# Allegro board BeagleBone_Black_RevC.brd (continued)
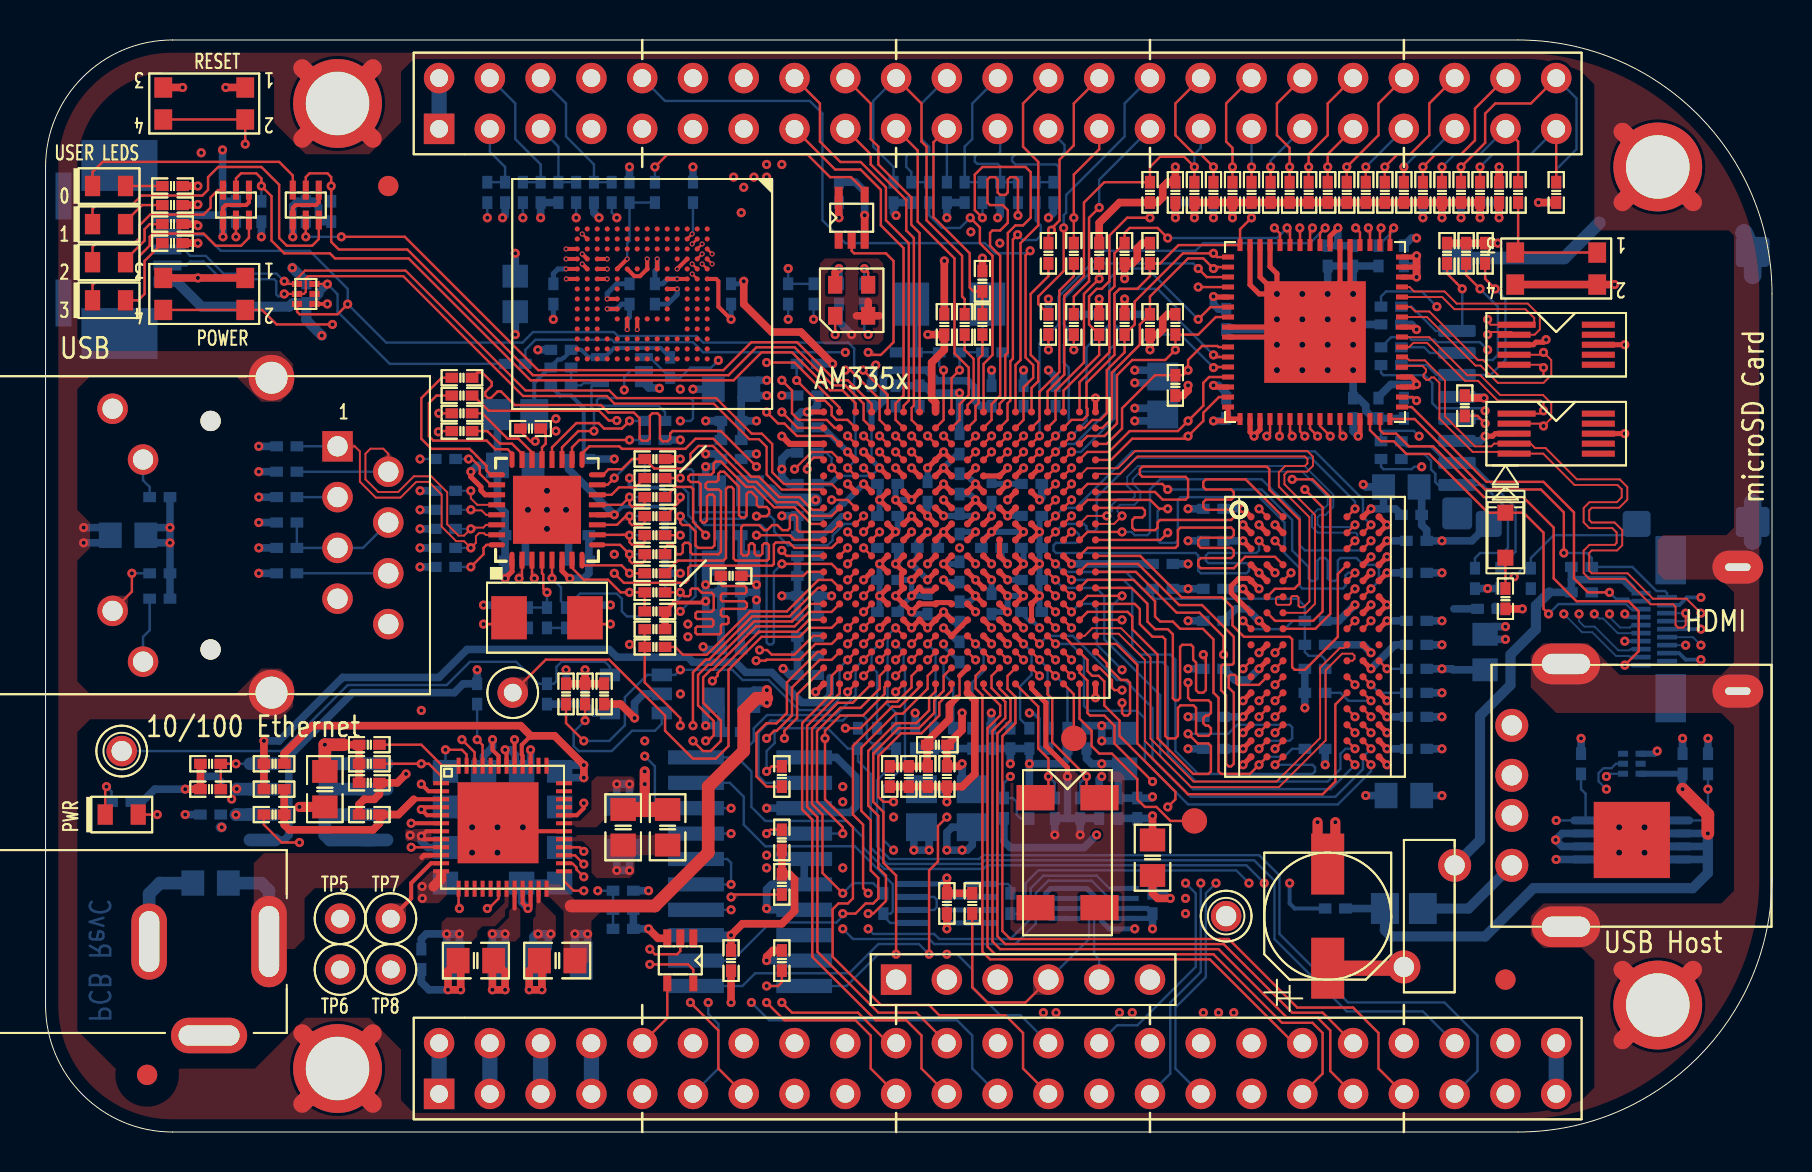
[diagram p0: board, top side]
## Nets (continued)
MII1_RXD2: R126.1 U5.L16
MII1_RXD3: R125.1 U5.L17
MII1_RXDV: R129.1 U5.J17
MII1_RXERR: R133.1 U5.J15
MII1_TXCLK: R134.1 U5.K18
MII1_TXD0: R39.1 U5.K17
MII1_TXD1: R40.1 U5.K16
MII1_TXD2: R41.1 U5.K15
MII1_TXD3: R42.1 U5.J18
MII1_TXEN: R38.1 U5.J16
MMC0_CD: P2.19 P10.10 R157.1 U5.C15
MMC0_CLKO: R16.1 U5.G17
MMC0_CMD: R15.1 U5.G18
MMC0_DAT0: R31.1 U5.G16
MMC0_DAT1: R32.1 U5.G15
MMC0_DAT2: R2.1 U5.F18
MMC0_DAT3: R13.1 U5.F17
MMC1_CLK: C175.1 P8.21 R35.2 R110.2 U13.M6
MMC1_CMD: P8.20 R36.2 R109.2 U13.M5
MMC1_DAT0: P8.25 R43.2 R101.2 U13.A3
MMC1_DAT1: P8.24 R44.2 R102.2 U13.A4
MMC1_DAT2: P8.5 R103.2 R168.2 U13.A5
MMC1_DAT3: P8.6 R104.2 R169.2 U13.B2
MMC1_DAT4: P8.23 R105.2 R170.2 U13.B3
MMC1_DAT5: P8.22 R106.2 R171.2 U13.B4
MMC1_DAT6: P8.3 R107.2 R172.2 U13.B5
MMC1_DAT7: P8.4 R108.2 R173.2 U13.B6
MODE2: R113.1 R138.2 U14.15
OSC0_IN: C25.1 R17.1 U5.V10 Y2.2
OSC0_OUT: C26.1 R17.2 U5.U11 Y2.1
OSC1_IN: C21.2 U5.A6 Y1.1
OSC1_OUT: C22.2 U5.A4 Y1.4
P_BYPASS: C4.2 U2.47
P_INT_LDO: C3.2 U2.48
P_L1: L1.1 U2.20
P_L2: L2.1 U2.23
P_L3: L3.1 U2.31
PHY_VDDCR: C134.1 C136.1 U14.6
PHY_XTAL1: C143.1 R141.2 R142.1 Y3.1
PHY_XTAL2: R141.1 R143.1 U14.4(XTAL2)
PHYX: C142.1 R143.2 Y3.2
PMIC_INT: R1.2 U2.45 U5.B18
PMIC_PGOOD: U2.26 U5.B15 U16.2
PMIC_POWR_EN: U2.9 U5.C6
PROC_A15: R18.1 U5.A15
PWR_BUT: P9.9 S3.2 S3.4(B2) U2.25
PWR_LEDR: D1.1(C) R12.2
RBIAS: R144.1 U14.32
RCLKIN: R140.2 R142.2 U14.5
REFCLKO: R118.1 R124.2 R131.2 U14.7
RXD0/MODE0: R112.1 R128.2 U14.11
RXD1/MODE1: R114.1 R127.2 U14.10
RXD2/RMIISEL: R117.1 R126.2 U14.9
RXD3/PHYAD2: R116.1 R125.2 U14.8
RXDV: R129.2 U14.26
RXER/PHYAD0: R115.1 R133.2 U14.13
RXN: C138.1 P5.2 R121.1 U14.30
RXP: C137.1 P5.1 R120.1 U14.31
SD_CLK: C5.1 P10.5 R16.2 R152.2
SD_CMD: P10.3 R15.2 R151.2
SD_DAT0: P10.7 R31.2 R153.2
SD_DAT1: P10.8 R32.2 R154.2
SD_DAT2: P10.1 R2.2 R150.2
SD_DAT3: P10.2 R13.2 R155.2
SPI1_CS0: P9.28 U5.C12 U11.25
SPI1_D0: P9.29 U5.B13 U11.24
SPI1_D1: P9.30 U5.D12
SPI1_SCLK: P9.31 U5.A13 U11.23
SYS_5V: C7.2 C8.2 C10.2 C13.2 C17.1 C34.1 P9.7 P9.8 R71.1 R72.1 R73.1 R74.1 RT1.1 U2.2 U2.7 U2.8 U2.21 U2.22 U2.32 U2.39 U2.42 U4.2 U8.2 U8.3
SYS_RESETN: C24.1 C30.1 P2.15 P9.10 R14.2 S1.2 S1.4(B2) U1.2 U5.A10 U16.4(Y)
TCT_RCT: C141.1 P5.4 P5.5 R137.1
TESTOUT: TP3.1(TP) U5.A3
TIMER4: P8.7 U5.R7
TIMER5: P8.9 U5.T6
TIMER6: P8.10 U5.U6
TIMER7: P8.8 U5.T7
TXCLK: R134.2 U14.20
TXD0: R39.2 U14.22
TXD1: R40.2 U14.23
TXD2: R41.2 U14.24
TXD3: R42.2 U14.25
TXEN: R38.2 U14.21
TXN: C140.1 P5.6 R123.1 U14.28
TXP: C139.1 P5.3 R122.1 U14.29
U5_H18: R28.1 U5.H18
U5_R13: R160.1 U5.R13
U5_T13: R161.1 U5.T13
UART0_RX: U5.E15 U15.6
UART0_TX: U5.E16 U15.5
UART1_RXD: P9.26 U5.D16
UART1_TXD: P9.24 U5.D15
UART2_RXD: P9.22 U5.A17
UART2_TXD: P9.21 U5.B17
UART4_RXD: P9.11 U5.T17
UART4_TXD: P9.13 U5.U17
USB0_DM: P4.2 U5.N18 U10.2
USB0_DP: P4.3 U5.N17 U10.1
USB0_ID: P4.4 U5.P16 U10.3
USB1_DM: P3.2 U5.R18 U9.2
USB1_DP: P3.3 U5.R17 U9.1
USB1_DRVVBUS: R53.1 U5.F15 U8.4
USB1_ID: R49.2 U5.P17
USB1_OCN: R52.2 U5.T16 U8.5
USB1_PWR: C35.1 FB7.1 R37.2 U8.6 U8.7 U8.8 U9.6(VBUS)
USB1_VBUS: R37.1 U5.T18
USB_DC: C1.2 C36.1 P4.1(VB) R159.1 U2.12 U10.6(VBUS)
USR0: Q1.2 R76.1 U5.V15
USR1: Q1.5 R77.1 U5.U15
USR2: Q2.2 R78.1 U5.T15
USR3: Q2.5 R79.1 U5.V16
VDCDC1: L1.2 R6.1 U2.19
VIO: R7.2 U2.18 U16.5
VLDO1: R5.1 R7.1 R8.1 U2.3
VREFP_ADC: C31.1 C32.1 C33.1 R27.2 U5.B9
VRTC: C16.1 C105.1 R5.2 R26.1 U5.D7
WAKEUP: R26.2 U2.13(WAKEUP) U5.C5
WP: R156.2 TP4.1(TP) U7.5(WP)
XDMA_EVENT_INTR0: P2.17 R18.2 U6.1
YEL_C: P5.11(YELC) R130.2
YELA: P5.12 R135.1 U14.2
ZQ: R99.2 U12.L8(ZQ)
N21667305: R149.1 U11.49
N21757673: C19.1 R10.1 R11.2 U4.4
N21769115: R75.2 S2.1 S2.3
N22155575: R159.2 U5.P15
N22248684: R167.1 Y4.3
N22248838: R21.1 U6.5
N22287501: R162.1 U3.4(Y)
N22287555: U3.2 U5.R14
N22420400: TP5.1(TP) U2.4 U2.5
N22420444: TP6.1(TP) U2.6
N22420447: TP7.1(TP) U2.11
N22488252: TP9.1(TP) U5.E17

Pads without a net: D6 6 7 9 10; D7 6 7 9 10; J1 2 3 6; NOREF#2 1; NOREF#5 1; NOREF#25 1; NOREF#27 1; NOREF#28 1; NOREF#29 1; P1 3; P2 6; P5 7; P6 2; P10 S2; U2 14 15 16 17 33 34 35 36 37 38 44; U3 1; U5 F16 M5 M15 P18; U9 3 5; U10 5; U11 26 28; U12 J1 J9 L1 L9; U13 A1 A2 A7 A8 A9 A10 A11 A12 A13 A14 B1 B7 B8 B9 B10 B11 B12 B13 B14 C1 C3 C5 C7 C8 C9 C10 C11 C12 C13 C14 D1 D2 D3 D4 D12 D13 D14 E1 E2 E3 E5 E8 E9 E10 E12 E13 E14 F1 F2 F3 F10 F12 F13 F14 G1 G2 G3 G10 G12 G13 G14 H1 H2 H3 H5 H12 H13 H14 J1 J2 J3 J12 J13 J14 K1 K2 K3 K6 K7 K10 K12 K13 K14 L1 L2 L3 L12 L13 L14 M1 M2 M3 M7 M8 M9 M10 M11 M12 M13 M14 N1 N3 N6 N7 N8 N9 N10 N11 N12 N13 N14 P1 P2 P7 P8 P9 P10 P11 P12 P13 P14; U16 1; Y1 2 3

## Via types
v1: diameter 0.457, hole 0.203, TOP to BOTTOM, 801 vias
v2: diameter 0.254, hole 0.152, TOP to BOTTOM, 29 vias
v3: diameter 0.559, hole 0.305, TOP to BOTTOM, 30 vias

## Routing (per net, layer and track width the routed paths; a pad name or vN(x,y) marks a point on that pad's centre or on a via; arc(x,y) is an arc through that point)
DGND: length 496.4
  TOP w0.121: U13.N2 v2(26.85,44.91)
  TOP w0.191: U10.4 v1(14.1,41.41) ; R118.2 31.43,26.48 32.95,26.48 v1(33.02,26.54)
  TOP w0.203: U2.30 24.46,15.04 24.26,15.24 v3(23.88,15.24) ; v2(30.09,43.66) U13.G5 29.73,42.8 29.46,42.8 U13.J5 ; v1(34.29,40.64) 33.66,41.27 33.66,42.55 33.54,42.66 U13.A6 ; U13.K8 v2(28.09,41.66) ; v2(26.04,43.66) U13.P4 ; U13.E7 v2(31.6,42.16) ; U13.N5 v2(26.85,43.41) ; Q1.4 13.67,46.5 13.53,46.35 12.51,46.35 12.37,46.21 Q1.1 v1(12.37,44.77) ; U13.P6 v2(26.05,42.66) ; v1(8.88,44.77) Q2.1 8.88,46.21 9.02,46.35 10.03,46.35 10.17,46.5 Q2.4 ; U13.C4 v2(31.6,43.16) ; U2.41 v1(23.46,19.62) ; U13.H10 v2(29.6,40.13)
  TOP w0.254: v3(64.14,41.91) 64.75,42.52 U11.54 ; U5.M8 v1(46.52,31.61) U5.M9 ; U11.53 65.25,42.06 v3(65.41,41.91) ; U5.A18 v1(38.52,22.01) ; v3(61.59,39.37) 61.21,39.76 U11.9 ; U5.L10 v1(44.92,30.01) ; v1(44.92,30.01) U5.K11 ; v1(44.92,30.01) U5.K10 ; D6.8 v1(78.99,34.92) ; U5.J10 v1(44.92,28.41) U5.H10 ; U5.L11 v1(44.12,30.81) U5.M12 ; v1(59.9,30.37) U12.B1 ; U12.G1 59.31,26.96 59.31,27.3 59.69,27.69 60.18,27.69 U12.E1 v1(60.7,27.17) ; U12.A9 v1(67.1,30.37) U12.B9 ; v1(43.32,26.81) U5.G12 43.88,27.05 44.36,27.05 U5.G11 ; U5.H6 v1(48.92,28.41) U5.J6 ; U5.M14 v1(41.72,31.61) U5.N14 ; v1(58.42,35.56) 59.05,35.56 59.15,35.65 ; v1(66.3,28.77) U12.D8 ; v1(67.1,19.96) U12.P9 ; U11.18 60.25,35 v1(60.45,34.8) 60.45,34.82 60.75,35.12 U11.19 ; v3(61.59,40.64) 61.21,40.25 U11.8 ; U12.D1 v1(60.7,27.97) U12.E2 ; v1(44.92,31.61) U5.M10 ; v1(48.12,32.41) U5.N7 ; 59.15,35.65 U11.16 ; 59.15,35.65 U11.17 ; U11.61 61.25,43.27 61.59,42.93 v3(61.59,41.91) ; U5.F8 v1(46.52,26.81) U5.G9 ; v1(72.01,34.8) 72.39,34.8 72.52,34.92 D6.3 ; U5.K7 U5.J7 v1(48.12,28.41) ; v3(61.59,41.91) 60.75,42.76 U11.62 ; v3(61.59,41.91) 60.71,41.91 60.25,42.37 U11.63 ; v1(59.9,21.56) U12.M1 ; U5.L13 v1(43.32,30.81) U5.L12 ; v1(59.9,18.36) U12.T1 ; D7.3 74.42,39.37 74.55,39.5 74.93,39.5 v1(75.06,39.62) ; U5.H7 v1(48.12,27.61) ; v1(47.32,27.61) U5.H8 ; U5.J11 v1(44.12,28.41) ; v1(61.5,30.37) U12.B3 ; U12.G9 v1(67.1,26.37) U12.F9 ; v1(67.1,18.36) U12.T9 ; U5.A1 v1(52.52,21.72) ; U5.N10 v1(44.92,32.41) U5.N11 ; U5.V18 v1(38.1,36.01) ; U5.G8 v1(46.52,27.61) U5.H9 ; v1(59.9,19.96) U12.P1 ; D7.8 v1(78.99,39.37) ; v1(60.7,23.96) U12.J2 ; v1(46.52,28.41) U5.J9 ; v1(47.32,28.41) U5.J8 ; v1(66.3,27.97) U12.E8 ; v1(66.3,26.37) U12.G8 ; v1(66.3,23.96) U12.J8 ; v1(67.1,21.56) U12.M9 ; v1(46.52,30.01) U5.K9 ; U5.M7 v1(48.12,30.81) U5.M6 ; U5.V1 v1(52.52,36.7) ; v1(43.32,27.61) U5.H12
  TOP w0.381: v1(71.75,45.72) R95.2 R94.2 R93.2 ; v1(53.98,41.66) C157.2 ; R93.2 R92.2 R91.2 R90.2 R89.2 R88.2 R87.2 R86.2 R85.2 R83.2 R82.2 R84.2 ; R93.2 v1(69.85,45.72) ; v1(45.09,12.7) C27.2 R165.2 ; C61.1 v1(72.71,48.26) ; U16.3 30.64,9.69 v1(30.16,10.16) ; v1(56.52,48.26) C57.1 56.13,47.5 55.88,47.24 55.88,46.74 55.63,46.48 C165.2 53.72,46.48 52.7,45.47 C168.2 ; 46.86,43.05 v1(46.86,43.7) ; S2.4 S2.2 v1(78.49,42.38) ; v1(53.98,42.67) C167.2 54.36,43.43 54.61,43.69 54.61,44.2 54.86,44.45 C156.2 ; S3.3 v1(7.62,42.71) S3.1 ; Y4.2 41.71,40.82 ; Y4.2 41.15,41.53 ; Y4.2 40.56,40.82 ; R25.2 36.39,9.08 36.07,8.76 v1(36.07,8.57) ; C163.2 56.13,40.89 55.88,40.64 55.88,40.13 55.63,39.88 C160.2 v1(55.24,39.12) ; 14.92,19.37 C3.1 C18.2 C16.2 ; C173.2 v1(74.68,46.48) ; R29.2 v1(44.96,43.56) ; v1(34.29,6.48) C29.2 ; R84.2 v1(59.37,45.72) ; R84.2 R80.2 R81.2 v1(57.47,45.72) ; S1.1 v1(9.02,52.24) ; v1(56.26,11.68) 55.63,11.68 C155.1 C96.1 ; C19.2 R10.2 v1(6.99,17.14) ; U3.3 v1(40.97,45.85) ; S1.3 v1(6.86,52.24) ; v1(57.15,37.34) 57.15,37.08 56.9,36.83 C169.2 ; C166.2 v1(52.7,41.66) ; C37.2 28.77,21.4 v1(29.46,20.7) ; C5.2 R118.2 ; 24.83,8.45 v1(24.83,7.11) v1(24.19,7.11) 24.19,8.06 C12.1 24.83,8.45 ; 22.99,8 C9.1 22.35,8.51 v1(22.35,7.11) v1(22.99,7.11) 22.99,8
  TOP w0.508: 29.97,16.13 v1(29.97,17.4) v1(29.97,18.03) ; v1(63.63,15.49) 63.63,13.91 C34.2 64.52,13.78 v1(64.52,15.49)
  TOP w0.635: C1.1 v1(13.97,19.37) 14.92,19.37
  TOP w0.762: C11.1 C55.1
  LYR2_GND w0.889: 74.83,5.18 P9.46 ; P9.46 76.3,3.71 ; P9.46 74.83,3.71 ; P9.46 76.3,5.18 ; P9.2 20.42,5.18 ; P9.2 18.95,5.18 ; P9.2 18.95,3.71 ; P9.2 20.42,3.71 ; 16.41,26.13 P5.8 ; P5.8 17.88,26.13 ; P5.8 16.41,24.67 ; P5.8 17.88,24.67 ; 18.72,49.2 P8.1 ; P8.1 20.65,51.13 ; P8.1 18.72,51.13 ; P8.1 20.65,49.2 ; 20.65,2.87 P9.1 18.72,2.87 ; 20.42,51.97 P8.2 18.95,51.97 ; 73.76,2.64 P9.43 72.29,2.64 ; 58.32,10.06 TP1.1 ; TP1.1 59.79,10.06 ; TP1.1 58.32,11.53 ; TP1.1 59.79,11.53 ; 76.3,2.64 P9.45 74.83,2.64 ; J1.1 43.51,6.65 ; J1.1 41.58,6.65 ; J1.1 41.58,8.59 ; P9.44 73.76,5.18 ; P9.44 72.29,5.18 ; P9.44 73.76,3.71 ; P9.44 72.29,3.71 ; 5.18,7.42 P1.2 ; P1.2 4.09,9.53 ; P1.2 5.18,11.63 ; P1.2 6.27,9.53 ; TP8.1 18.01,7.39 ; TP8.1 16.54,7.39 ; TP8.1 16.54,8.86 ; TP8.1 18.01,8.86 ; P3.4 74.12,19.56 ; P3.4 72.56,21.11 ; P3.4 74.12,21.11 ; P3.4 72.56,19.56
  BOTTOM w0.191: v1(82.8,26.73) 82.11,26.73 81.72,26.35 P6.16 ; 79.89,25.75 P6.13 79.16,25.75 v1(78.99,25.91) ; 79.89,24.55 P6.7 v1(78.99,24.55) ; v1(82.8,23.62) 82.04,23.62 81.72,23.95 P6.4 ; v1(44.92,24.41) 44.92,24.3 45.71,23.5 C88.2 ; P6.10 v1(82.8,25.15) ; v1(29.21,32.7) 29.21,32.35 29.34,32.23 30.86,32.23 30.99,32.1 R115.2
  BOTTOM w0.203: C135.2 26.92,33.91 26.92,36.2 26.29,36.83 25.74,36.83 25.27,37.3 C174.2 ; v1(49.72,25.21) 49.43,25.5 49.26,25.5 48.81,25.94 C100.2
  BOTTOM w0.254: C130.2 v1(34.29,40.64) ; v2(31.6,42.16) 31.6,41.88 31.11,41.4 C129.2 ; v1(54.48,10.16) 53.21,10.16 52.83,10.54 52.83,11.43 52.08,12.18 U15.4 50.28,12.18 50.04,11.94 50.04,10.92 50.28,10.68 U15.1 ; C155.1 56.01,11.94 v1(56.26,11.68) ; C128.2 28.57,42.42 28.09,41.94 v2(28.09,41.66) ; v1(45.09,12.7) 44.79,12.41 U6.4 ; v1(43.32,27.61) v1(43.32,26.81) 42.63,26.12 C70.1 ; C127.2 v1(25.4,40.64)
  BOTTOM w0.305: C66.2 41.72,30.92 v1(41.72,31.61) 41.72,32.3 C41.2 ; v1(46.52,30.01) 45.83,30.01 C47.2 ; v1(46.52,26.81) 46.23,26.52 C72.1 ; v1(48.12,28.41) 47.83,28.7 C48.2 ; C50.2 v1(47.32,27.61) ; v1(46.52,31.61) 46.23,31.9 C42.2 ; U9.4 80.48,18.91 v1(80.62,19.05) ; C94.2 v1(44.12,30.81) ; C73.1 v1(48.12,32.41) 47.43,32.41 C43.2 ; v1(44.92,28.41) 45.58,28.41 C49.2 ; v1(43.32,26.81) 44.01,26.81 C63.2 ; C99.2 v1(48.12,27.61) ; v1(48.12,30.81) C97.2 ; v1(44.92,30.01) 44.63,29.72 C46.2 ; v1(48.92,28.41) 48.92,29.1 C98.2 ; C60.1 v1(43.32,27.61)
  BOTTOM w0.381: C159.2 39.69,40.51 v1(40.32,39.88) ; v1(8.85,49.11) 8.85,47.4 8.88,47.37 8.88,46.56 ; C109.2 v1(57.15,27.17) C28.2 ; C52.2 33.78,28.07 C40.1 ; C52.2 33.02,26.99 ; C52.2 33.78,25.91 C39.1 ; v1(30.71,37.19) 30.61,37.19 30.59,37.21 30.17,37.21 U1.3 ; C132.2 24,30.99 v3(24.13,31.11) ; C132.2 C131.2 ; C132.2 24.77,29.84 v3(25.08,30.16) 25.4,29.84 C136.2 C134.2 ; C61.1 v1(72.71,48.26) ; C117.2 v1(69.85,25.57) ; C133.1 24.38,32.45 24.77,32.07 v3(25.08,32.07) ; C120.2 v1(69.85,20.76) ; R144.2 v1(18.73,28.26) ; R53.2 v1(76.81,19.68) ; R164.2 v1(49.21,18.41) ; v1(49.21,18.41) 50.87,18.41 51.12,18.66 R54.1 ; v1(49.21,18.41) C104.2 C92.2 ; C144.2 61.09,40.13 v3(61.59,40.64) ; C68.1 v1(48.92,38.1) ; R77.2 13.9,45.53 13.65,45.78 13.65,46.29 13.4,46.55 R76.2 12.6,46.55 12.37,46.32 v1(12.37,44.77) ; v1(33.02,35.56) C67.2 C38.2 ; P2.12 P2.10 36.32,12.38 36.07,12.13 v1(36.07,11.18) 36.13,11.11 P2.8 ; v1(6.22,29.46) v1(6.22,30.23) ; v1(6.22,29.46) R130.1 R135.2 ; v1(6.22,29.46) 5.4,29.46 R136.1 5.4,30.23 v1(6.22,30.23) ; v1(6.22,30.23) R132.1 ; C51.2 33.78,28.83 C40.1 ; C54.2 C44.2 ; C54.2 v1(36.83,26.81) ; C54.2 C79.2 C69.1 ; C107.2 v1(57.15,31.17) ; C161.2 C166.2 v1(52.7,41.66) ; C143.2 27.11,26.35 v1(28.26,26.35) ; 33.78,20.33 33.78,21.21 C62.1 33.02,21.21 33.02,20.33 ; 33.78,20.33 C64.2 ; 33.78,20.33 33.02,20.33 ; v1(10.79,44.77) R79.2 ; v1(55.37,16.76) 55.31,16.7 C103.2 C102.2 53.66,17.84 C95.1 53.72,18.41 v1(52.83,18.41) 52.32,18.41 52.07,18.67 C101.2 ; v1(14.1,41.41) 14.09,41.4 ; 33.02,20.33 v1(33.02,20.32) ; v1(68.58,44.7) 68.33,44.7 C149.2 ; R145.2 v1(31.75,34.61) ; C138.2 v1(10.67,33.02) ; C92.2 C105.2 C89.2 C91.2 C90.2 C59.2 ; C92.2 v1(48.26,18.41) ; v3(64.14,41.91) 64.14,43.31 65.41,43.31 ; C23.2 v1(24.63,39.12) ; 33.02,26.99 v1(33.02,27.37) 33.02,28.07 C40.1 ; 33.02,26.99 v1(33.02,26.54) 33.02,25.91 C39.1 ; v1(41.53,38.35) 41.42,38.25 41.42,37.88 41.32,37.78 C80.2 ; C123.2 U12.J8 v1(66.3,23.96) ; R10.2 v1(6.99,17.14) 5.46,17.14 4.83,16.51 R12.1 ; P2.20 39.56,18.73 40.53,17.76 40.53,16.27 40.24,15.98 39.5,15.98 39.35,16.13 38.01,16.13 P2.16 v1(36.07,16.19) ; R78.2 8.89,46.55 8.88,46.56 ; C150.2 65.66,40.39 v3(65.41,40.64) ; C108.2 v1(57.15,29.57) ; v1(47.32,38.1) C81.2 ; C173.2 v1(74.68,46.48) ; C141.2 v1(10.67,30.48) ; 8.88,46.56 8.88,45.86 ; C113.2 v1(57.15,19.16) ; C122.1 69.84,16.83 v1(69.85,16.82) ; U8.1 v1(75.56,13.63) ; C135.2 v1(28.45,33.66) ; v1(36.89,23.18) 36.89,23.18 37.21,22.86 C85.2 C83.2 C82.2 ; v3(65.41,38.1) C147.2 65.66,36.7 66.04,36.32 66.04,36.07 66.42,35.69 C151.2 R148.2 ; R22.1 v1(57.15,28.41) ; C152.2 v1(26.04,23.11) ; C118.1 68.83,32.13 C114.2 68.83,30.35 69.09,30.1 C115.2 v1(69.85,29.57) 71.35,29.57 P10.9 ; C71.1 38.61,36.32 38.3,36.01 v1(38.1,36.01) 37.81,36.01 37.61,35.81 C86.2 ; C154.2 70.45,26.16 ; C24.2 C30.2 v1(30.16,10.16) ; C145.2 58.93,35.56 v1(58.42,35.56) ; C58.2 C106.2 43.96,37.32 44.32,36.96 v1(45.72,36.96) C56.1 ; v1(32.89,24.27) 33.03,24.13 C53.2 33.78,25.15 C39.1 ; v1(50.16,38.1) 50.52,37.74 C74.1 ; C110.2 v1(57.15,25.57) ; C84.2 37.19,32.41 36.83,32.77 v1(36.83,33.15) 36.83,33.66 37.15,33.97 R49.1 ; 8.88,45.86 7.23,45.86 7.11,45.73 P4.5 ; 8.88,45.86 v1(8.88,44.77) ; C164.2 v1(50.16,41.66) ; 65.41,43.31 v3(65.41,41.91) ; 65.41,43.31 66.67,43.31 ; v1(62.99,21.21) C124.2 R100.2 ; v1(36.83,30.81) C87.2 C45.2 ; U7.2 29.91,21.91 29.46,21.46 v1(29.46,20.7) ; C139.2 v1(10.67,31.75) ; C137.2 v1(10.67,34.29) ; C78.2 35.05,33.91 v1(35.56,33.91) ; C172.2 C157.2 v1(53.98,41.66) ; R96.1 v1(69.85,23.16) 70.36,23.16 70.41,23.11 C153.2 ; P10.6 71.77,34.56 v1(72.01,34.8) ; C17.2 v1(6.99,15.88) ; P2.4 v1(36.07,8.57) ; C116.2 v1(69.85,27.97) ; C121.2 v1(69.85,19.16) ; C35.2 v1(81.89,19.68) ; C112.2 v1(57.15,20.76) ; C158.2 40.51,47.5 40.97,47.04 v1(40.97,45.85) ; v1(21.91,26.35) 23.05,26.35 C142.2 ; C111.2 v1(57.15,23.16) ; R117.2 R116.2 v1(31.75,27.94) ; R99.1 v1(69.85,21.96) ; C125.2 v1(32.38,48.26) ; v1(32.38,37.15) C77.2 ; C140.2 v1(10.67,27.94) ; C57.1 v1(56.52,48.26) ; C119.2 v1(69.85,24.36) ; C126.1 v1(23.5,39.88) ; FB3.2 43.43,14.86 v1(43.43,14.1) v1(44.2,14.1) 44.2,14.86 FB3.2
  BOTTOM w0.508: C36.2 13.04,42.52 v1(12.34,43.22)
  BOTTOM w0.635: 16.45,14.61 14.22,14.61 13.97,14.86 13.97,15.88 ; 13.97,18.41 U4.5 ; 13.97,18.41 13.97,17.14 ; 13.97,18.41 v1(13.97,19.37) ; 13.97,17.14 13.97,15.88 ; 13.97,17.14 16.45,17.14 ; 13.97,15.88 U4.7 ; C2.1 5.71,12.45 5.18,11.91 P1.2
  BOTTOM w0.762: P8.1 P8.2 ; P9.1 P9.2 ; P9.45 P9.46
  vias: v1(7.79,48.97) v3(21.34,15.24) v3(21.34,13.97) v3(22.61,15.24) v3(22.61,13.97) v3(25.08,31.11) v3(26.04,31.11) v3(61.59,38.1) v3(62.87,41.91) v3(62.87,40.64) v3(62.87,39.37) v3(62.87,38.1) v3(64.14,40.64) v3(64.14,39.37) v3(64.14,38.1) v3(65.41,39.37) v3(78.71,15.24) v3(78.71,13.97) v3(79.98,15.24) v3(79.98,13.97)
GND_EARTH: length 144.8
  TOP w0.889: 78.88,46.49 MTG4.1 ; MTG4.1 82.41,46.49 ; MTG4.1 78.88,50.03 ; MTG1.1 16.37,4.94 ; MTG1.1 12.84,1.41 ; MTG1.1 16.37,1.41 ; MTG1.1 12.84,4.94 ; MTG2.1 82.41,8.12 ; MTG2.1 78.88,8.12 ; MTG2.1 78.88,4.58 ; 12.84,53.2 MTG3.1 ; MTG3.1 16.37,49.67 ; MTG3.1 12.84,49.67 ; MTG3.1 16.37,53.2
  LYR2_GND w0.889: 12.84,49.67 MTG3.1 ; MTG3.1 16.37,53.2 ; MTG3.1 12.84,53.2 ; MTG3.1 16.37,49.67 ; 12.84,1.41 MTG1.1 ; MTG1.1 12.84,4.94 ; MTG1.1 16.37,4.94 ; MTG1.1 16.37,1.41 ; 78.88,50.03 MTG4.1 ; MTG4.1 78.88,46.49 ; MTG4.1 82.41,46.49 ; MTG2.1 82.41,8.12 ; MTG2.1 78.88,8.12 ; MTG2.1 78.88,4.58
  LYR5_PWR w0.889: MTG3.1 16.37,53.2 ; MTG3.1 12.84,53.2 ; MTG3.1 16.37,49.67 ; MTG3.1 12.84,49.67 ; MTG2.1 82.41,8.12 ; MTG2.1 78.88,4.58 ; MTG2.1 78.88,8.12 ; 78.88,50.03 MTG4.1 ; MTG4.1 78.88,46.49 ; MTG4.1 82.41,46.49 ; MTG1.1 16.37,4.94 ; MTG1.1 12.84,1.41 ; MTG1.1 16.37,1.41 ; MTG1.1 12.84,4.94
  BOTTOM w0.381: v1(1.91,29.46) 2.86,29.46 R136.2 2.86,30.23 v1(1.91,30.23)
  BOTTOM w0.635: 77.72,45.47 75.97,43.71 P10.S1
  BOTTOM w0.889: 12.84,53.2 MTG3.1 16.37,53.2 ; MTG4.1 82.41,46.49 ; MTG4.1 78.88,50.03 ; MTG4.1 78.88,46.49 ; 85.39,42.84 P10.S4 84.96,44.96 ; MTG2.1 82.41,8.12 ; MTG2.1 78.88,4.58 ; MTG2.1 78.88,8.12 ; 85.39,31.46 P10.S3 85.39,29.56 ; 12.84,1.41 MTG1.1 16.37,1.41
GND_OSC0: length 40
  TOP w0.381: U5.V11 44.52,36.48 44.32,36.68 44.32,38.48 44.96,39.12 R29.1 v1(44.13,39.88)
  LYR4 w0.381: v1(44.13,39.88) 53.72,39.88 55.5,38.1 55.5,19.94 53.34,17.78 v1(52.83,17.78)
  BOTTOM w0.381: v1(52.83,17.78) 52.7,17.65 R30.1
GND_OSC1: length 11.3
  TOP w0.254: v1(51.12,17.78) 51.12,18.22 50.04,19.3 50.04,21.46 49.32,22.18 U5.A5
  BOTTOM w0.381: C22.1 51.12,15.68 ; C22.1 v1(51.75,14.86) ; C22.1 R30.2 ; 51.12,15.68 C21.1 v1(50.48,14.86) ; 51.12,15.68 v1(51.12,17.78)
GNDA_ADC: length 46.8
  TOP w0.254: v1(47.32,25.21) U5.E8
  TOP w0.305: 46.12,21.97 U5.A9
  TOP w0.381: C93.2 v1(45.09,16.51) ; C93.2 C33.2 C31.2 C32.2 ; C93.2 45.85,17.27 46.48,17.91 46.48,21.59 46.12,21.95 46.12,21.97
  LYR4 w0.381: v1(47.32,25.21) 46.29,25.21 45.85,24.77 45.85,23.24 46.48,22.61 46.48,20.32 45.09,18.92 v1(45.09,16.51) 46.1,16.51 53.85,8.76 55.88,8.76 56.52,8.13 56.52,3.94 57.28,3.17 59.05,3.17 P9.34
  BOTTOM w0.381: v1(45.09,16.51) 45.09,16.89 44.84,17.14 FB3.1
VBUS: length 5.3
  BOTTOM w0.508: P3.1 71.18,11.18 FB7.2
VDD_1V8: length 39.8
  TOP w0.203: U2.40 23.86,18.83 23.82,18.87 23.82,19.36 24.27,19.81
  TOP w0.254: v1(44.92,25.21) U5.D10 U5.E9 ; v1(40.12,32.41) U5.N16 ; v1(40.12,34.01) U5.R16
  TOP w0.381: R9.2 11.94,18.92 13.34,20.32 23.77,20.32 24.27,19.81 25.46,19.81 v1(26.92,18.35) v1(26.92,17.72)
  LYR3 w0.381: v1(26.92,17.72) v1(26.92,18.35)
  BOTTOM w0.305: v1(40.12,34.01) 38.89,35.24 C86.1 ; v1(44.92,25.21) 45.61,24.52 C88.1
  BOTTOM w0.381: FB1.1 33.02,32.39 v1(33.02,33.27) 33.4,33.27 C78.1 33.53,33.91 v1(33.02,33.91) ; v1(54.48,35.56) 55.56,35.56 FB5.2 55.57,36.2 v1(54.48,36.2) ; v1(45.85,14.1) v1(45.09,14.1) 45.09,14.99 45.34,15.24 FB2.2 46.35,14.35 46.1,14.1 v1(45.85,14.1) ; v1(26.92,18.35) 26.04,18.35 C14.2 26.04,17.72 v1(26.92,17.72) v1(26.92,18.35)
VDD_3V3A: length 128
  TOP w0.203: v1(22.36,19.62) 22.36,19.11 22.66,18.81 U2.43
  TOP w0.254: U5.E10 v1(44.92,26.01) U5.E11 v1(44.12,25.21) U5.E12 v1(43.32,25.21) U5.E13 ; U5.K14 v1(42.52,30.01) U5.L14 ; v1(40.92,34.01) U5.R15 ; v1(48.12,33.21) U5.P7 U5.P8 ; U5.P5 v1(49.72,33.21) ; U5.J14 v1(41.72,28.41) U5.H14 ; U5.P11 v1(44.92,33.21) U5.P10 ; U5.P6 v1(48.92,33.21) ; U5.G14 v1(41.72,26.81) U5.F14 ; U5.P12 v1(43.32,33.21) ; U5.P13 v1(42.52,33.21) ; v1(40.92,32.41) U5.N15 ; U5.N5 v1(49.72,31.61)
  TOP w0.381: C61.2 v1(72.71,45.72) ; Y4.4 39.5,42.99 v1(39.69,43.18) ; C27.1 v1(45.09,10.16) ; R3.1 R4.1 ; R4.1 C37.1 ; R4.1 v1(26.99,23.11) ; v1(39.69,45.72) 39.69,45.73 39.67,45.75 U3.5 ; C57.2 v1(56.52,45.72)
  LYR4 w0.381: v1(83.16,19.68) 82.4,20.45 75.18,20.45 73.66,21.97 73.66,24.26 74.55,25.15 74.55,27.56 72.77,29.34 72.77,36.96 70.17,39.56 70.17,45.09 v1(70.8,45.72)
  BOTTOM w0.254: U6.8 45.09,10.45 ; 45.09,10.45 45.09,11.1 ; 45.09,10.45 v1(45.09,10.16) ; U6.7 45.09,11.1 ; 45.09,11.1 45.09,11.56 45.28,11.76 U6.6
  BOTTOM w0.305: C72.2 45.43,25.5 v1(44.92,26.01) ; v1(41.72,28.41) 41.72,27.72 C60.2 41.72,27.5 v1(41.72,26.81) 41.72,26.12 C70.2 ; C66.1 42.63,30.12 v1(42.52,30.01) ; C87.1 39.21,30.81 39.81,31.41 39.92,31.41 v1(40.92,32.41) ; C56.2 45.61,33.9 v1(44.92,33.21)
  BOTTOM w0.381: C59.1 v1(43.5,20.95) ; 26.99,21.4 C152.1 R156.1 ; 26.99,21.4 v1(26.99,23.11) ; 26.99,21.4 27.43,20.95 U7.4 ; v1(21.59,23.11) R1.1 20.89,22.42 20.45,21.97 15.37,21.97 12.17,18.77 12.17,14.84 11.94,14.61 10.86,14.61 ; R52.1 v1(83.16,19.68) ; R55.1 R56.1 C57.2 v1(56.52,45.72) ; R55.1 R59.1 R57.1 R58.1 R60.1 R61.1 R62.1 R63.1 R64.1 R65.1 R66.1 R67.1 ; R55.1 v1(58.42,45.72) ; R14.1 v1(30.16,12.06) ; C67.1 v1(35.56,35.56) ; C67.1 C38.1 ; C67.1 34.8,36.77 C77.1 ; C77.1 35.62,37.59 v1(36.08,37.59) ; C77.1 35.5,36.83 v1(36.08,36.83) ; C159.1 v1(39.69,43.18) ; v1(49.72,31.61) 49.83,31.72 C73.2 ; R67.1 v1(68.9,45.72) ; R67.1 R68.1 R69.1 ; R69.1 R70.1 C61.2 v1(72.71,45.72) ; R69.1 v1(70.8,45.72) ; C15.2 21.91,18.8 22.36,19.25 v1(22.36,19.62) ; C71.2 v1(36.83,36.83) ; v1(39.69,45.72) C158.1
VDD_3V3AUX: length 19.6
  TOP w0.121: C18.1 v1(18.8,18.41) 19.18,18.41 19.79,17.81 U2.1 ; D1.2 v1(5.59,15.88)
  LYR3 w0.133: v1(18.8,18.41) 11.18,18.41 10.54,17.78 6.35,17.78 5.59,17.02 v1(5.59,15.88)
VDD_3V3B: length 118.4
  TOP w0.203: U13.F5 v2(30.6,43.66) ; U13.E6 v2(31.6,42.66) U13.C6 ; U13.N4 v2(26.85,43.91) ; U13.J10 v2(29.09,40.13) ; v2(26.04,44.16) U13.P3 ; v2(26.04,43.16) U13.P5 ; U13.K9 v2(28.09,41.16) ; U13.M4 v2(28.09,43.66)
  TOP w0.254: v1(28.45,30.87) 28,30.87 U14.12
  TOP w0.381: R150.1 R155.1 R151.1 v1(72.64,44.45) ; R119.1 v1(31.75,33.66) ; v1(39.37,38.42) 37.78,40.01 36.32,40.01 34.92,41.4 v1(34.92,42.55) ; R152.1 71.07,36.75 71.11,36.7 v1(71.95,36.7) ; 36.83,14.1 R23.1 37.21,12.89 37.47,12.64 37.47,11.05 36.83,10.41 34.86,10.41 v1(34.29,9.84) C29.1 ; R166.2 v1(73.87,26.16)
  LYR3 w0.381: v1(34.29,9.84) 35.03,9.1 41.11,9.1 42.8,10.79 54.74,10.79 v1(55.37,10.16)
  LYR4 w0.381: v1(52.58,14.86) 52.58,12.95 v1(55.37,10.16)
  LYR5_PWR w0.889: P9.4 22.96,5.18 ; P9.4 21.49,5.18 ; P9.4 21.49,3.71 ; P9.4 22.96,3.71 ; 22.96,2.64 P9.3 21.49,2.64
  BOTTOM w0.191: v1(28.45,30.87) 28.86,31.27 30.86,31.27 30.99,31.15 R112.2
  BOTTOM w0.203: C23.1 26.29,39.07 25.92,38.71 25.88,38.71 25.8,38.63 25.64,38.63 25.27,38.27 R33.1 25.21,38.23 24.44,37.46 FB4.1 ; C23.1 26.28,39.12 ; C23.1 26.8,39.12 27.16,38.75 U1.5 27.98,38.75 28.44,39.21 30.77,39.21 R34.1
  BOTTOM w0.254: v2(30.6,43.66) 30.6,43.18 30.48,43.06 C129.1 30.87,42.42 31.11,42.66 v2(31.6,42.66) ; v2(29.09,40.13) 29.09,40.64 29.21,40.76 C128.1 28.82,41.4 28.57,41.16 v2(28.09,41.16) ; C130.1 34.8,42.42 v1(34.92,42.55) ; U15.8 55.13,10.68 C155.2 55.11,11.18 U15.7 ; C127.1 25.4,42.93 25.63,43.16 v2(26.04,43.16)
  BOTTOM w0.381: R111.1 v1(29.21,48.26) ; R107.1 22.99,45.85 v1(22.86,45.72) ; 72.52,26.29 C154.1 ; C155.2 v1(55.37,10.16) ; P2.5 v1(34.29,9.84) ; R105.1 47.75,45.85 v1(47.62,45.72) ; C135.1 26.16,33.15 v1(28.45,30.87) ; R11.1 7.75,18.03 8,17.78 8.51,17.78 8.76,17.53 C20.1 ; v1(73.03,24.64) 72.26,24.64 C153.1 72.39,25.27 v1(73.03,25.27) ; v1(50.16,45.72) 50.42,45.97 R101.1 ; v1(39.37,38.42) R158.1 ; P10.4 71.9,36.76 v1(71.95,36.7) ; R106.1 R109.1 42.42,45.96 v1(42.55,45.83) ; R104.1 27.43,45.97 v1(27.69,45.72) ; C126.2 v1(23.5,43.94) ; v1(45.09,45.72) R110.1 R102.1 ; R119.1 v1(31.75,33.66) ; R163.1 47.94,14.54 48.26,14.22 51.94,14.22 v1(52.58,14.86) ; R114.2 R112.2 ; v1(24.77,45.72) R108.1 R103.1 ; 9.55,17.14 v1(9.56,17.16) ; R154.1 v1(72.14,27.18) R153.1